# KiCad board SimulTypeUltra.kicad_pcb
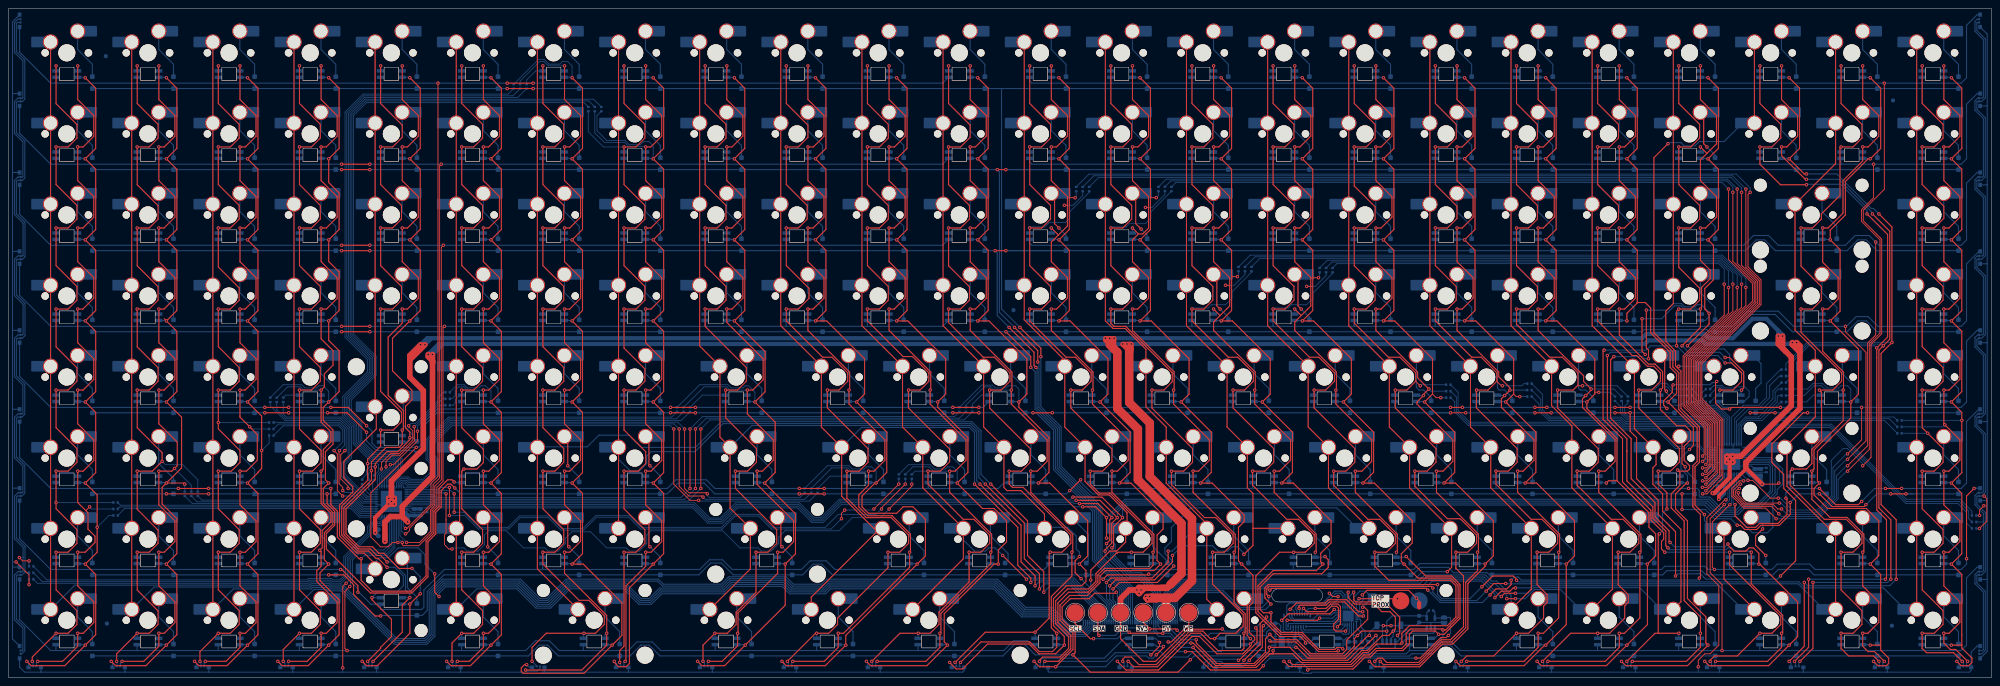
[diagram p0: board, top side]
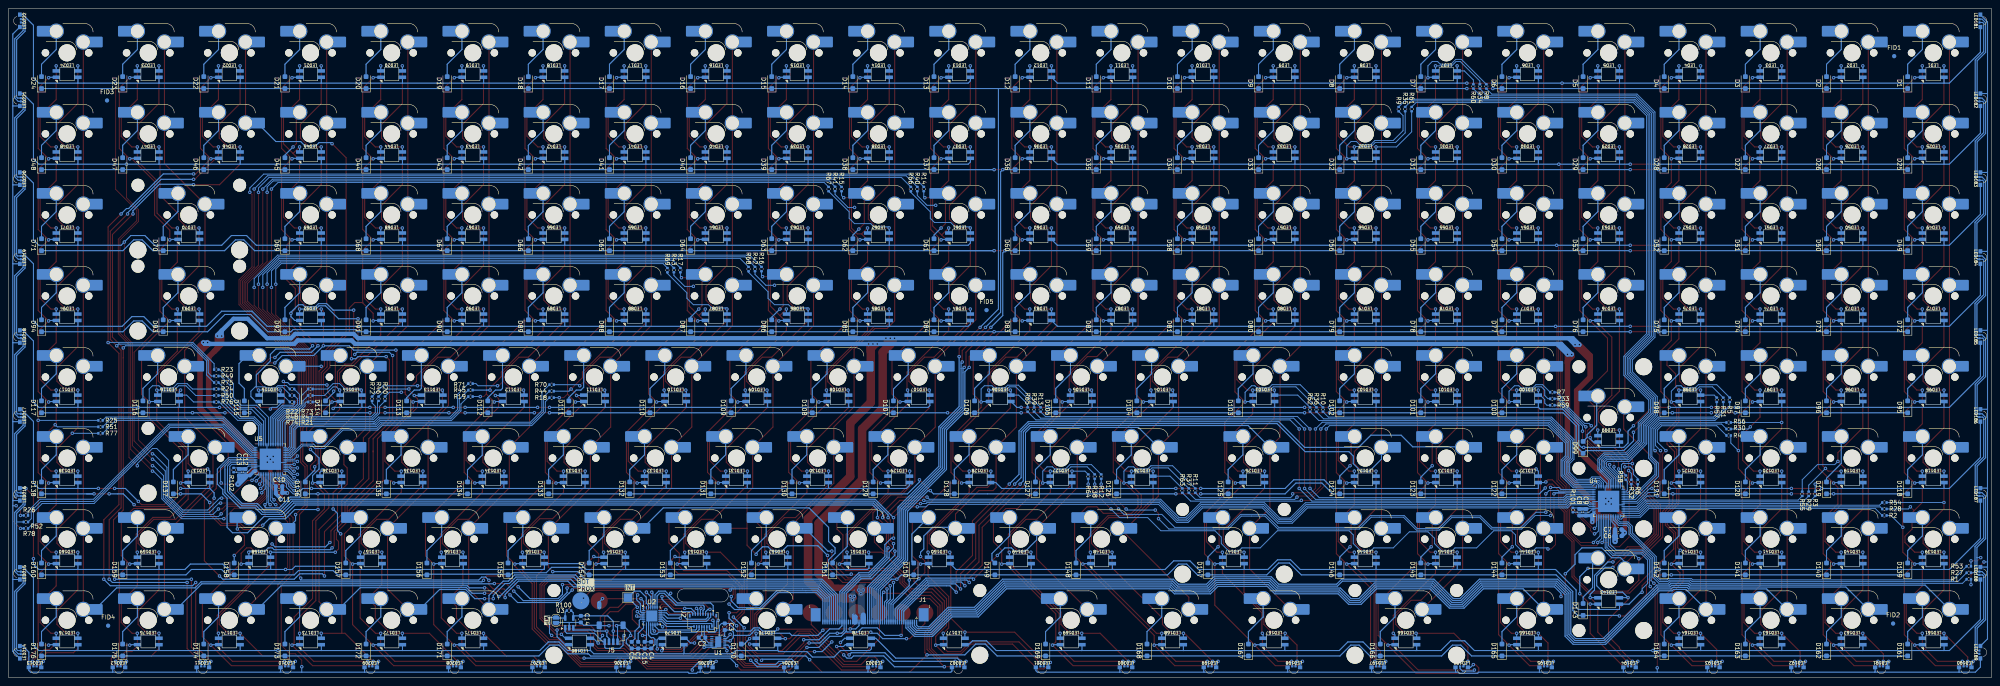
[diagram p1: board, bottom side, seen from below]

Outline 465.58 x 157.23 mm; copper layers: Top, Bottom. Coordinates in mm from the lower left corner of the outline.
Outline path: 307,17.76 308.53,19.28 307,20.81 298.11,20.81 296.59,19.28 298.11,17.76 closed ; rectangle 0,157.23 465.58,0

## Placement (name value [footprint] x y rotation side)
C1  2.2n  [C_0603_1608Metric]  319.27 7.6 270 bottom
C2  5p  [C_0603_1608Metric]  302.76 9.38 0 bottom
C3  1u  [C_0603_1608Metric]  297.42 11.92 90 bottom
C4  0.1u  [C_0603_1608Metric]  314.69 7.6 270 bottom
C5  0.1u  [C_0603_1608Metric]  317.74 7.6 90 bottom
C6  1u  [C_0603_1608Metric]  87.62 33.25 180 bottom
C7  0.1u  [C_0603_1608Metric]  87.62 34.78 180 bottom
C8  1u  [C_0603_1608Metric]  96.76 38.84 90 bottom
C9  0.1u  [C_0603_1608Metric]  95.24 38.84 90 bottom
C10  0.1u  [C_0603_1608Metric]  402.07 44.94 180 bottom
C11  1u  [C_0603_1608Metric]  402.07 43.41 180 bottom
C12  0.1u  [C_0603_1608Metric]  409.94 48.24 90 bottom
C13  1u  [C_0603_1608Metric]  411.47 48.24 90 bottom
C14  1u  [C_0603_1608Metric]  331.2 13.71 270 bottom
C15  1u  [C_0603_1608Metric]  316.22 7.6 270 bottom
D1  D  [D_SOD-123F]  19.68 139.81 90 bottom
D2  D  [D_SOD-123F]  38.73 139.81 90 bottom
D3  D  [D_SOD-123F]  57.78 139.81 90 bottom
D4  D  [D_SOD-123F]  76.83 139.81 90 bottom
D5  D  [D_SOD-123F]  95.88 139.81 90 bottom
D6  D  [D_SOD-123F]  114.93 139.81 90 bottom
D7  D  [D_SOD-123F]  133.98 139.81 90 bottom
D8  D  [D_SOD-123F]  153.03 139.81 90 bottom
D9  D  [D_SOD-123F]  172.08 139.81 90 bottom
D10  D  [D_SOD-123F]  191.13 139.81 90 bottom
D11  D  [D_SOD-123F]  210.18 139.81 90 bottom
D12  D  [D_SOD-123F]  229.23 139.81 90 bottom
D13  D  [D_SOD-123F]  248.28 139.81 90 bottom
D14  D  [D_SOD-123F]  267.33 139.81 90 bottom
D15  D  [D_SOD-123F]  286.38 139.81 90 bottom
D16  D  [D_SOD-123F]  305.43 139.81 90 bottom
D17  D  [D_SOD-123F]  324.48 139.81 90 bottom
D18  D  [D_SOD-123F]  343.53 139.81 90 bottom
D19  D  [D_SOD-123F]  362.58 139.81 90 bottom
D20  D  [D_SOD-123F]  381.63 139.81 90 bottom
D21  D  [D_SOD-123F]  400.68 139.81 90 bottom
D22  D  [D_SOD-123F]  419.73 139.81 90 bottom
D23  D  [D_SOD-123F]  438.78 139.81 90 bottom
D24  D  [D_SOD-123F]  457.83 139.81 90 bottom
D25  D  [D_SOD-123F]  19.68 120.76 90 bottom
D26  D  [D_SOD-123F]  38.73 120.76 90 bottom
D27  D  [D_SOD-123F]  57.78 120.76 90 bottom
D28  D  [D_SOD-123F]  76.83 120.76 90 bottom
D29  D  [D_SOD-123F]  95.88 120.76 90 bottom
D30  D  [D_SOD-123F]  114.93 120.76 90 bottom
D31  D  [D_SOD-123F]  133.98 120.76 90 bottom
D32  D  [D_SOD-123F]  153.03 120.76 90 bottom
D33  D  [D_SOD-123F]  172.08 120.76 90 bottom
D34  D  [D_SOD-123F]  191.13 120.76 90 bottom
D35  D  [D_SOD-123F]  210.18 120.76 90 bottom
D36  D  [D_SOD-123F]  229.23 120.76 90 bottom
D37  D  [D_SOD-123F]  248.28 120.76 90 bottom
D38  D  [D_SOD-123F]  267.33 120.76 90 bottom
D39  D  [D_SOD-123F]  286.38 120.76 90 bottom
D40  D  [D_SOD-123F]  305.43 120.76 90 bottom
D41  D  [D_SOD-123F]  324.48 120.76 90 bottom
D42  D  [D_SOD-123F]  343.53 120.76 90 bottom
D43  D  [D_SOD-123F]  362.58 120.76 90 bottom
D44  D  [D_SOD-123F]  381.63 120.76 90 bottom
D45  D  [D_SOD-123F]  400.68 120.76 90 bottom
D46  D  [D_SOD-123F]  419.73 120.76 90 bottom
D47  D  [D_SOD-123F]  438.78 120.76 90 bottom
D48  D  [D_SOD-123F]  457.83 120.76 90 bottom
D49  D  [D_SOD-123F]  19.68 101.71 90 bottom
D50  D  [D_SOD-123F]  38.73 101.71 90 bottom
D51  D  [D_SOD-123F]  57.78 101.71 90 bottom
D52  D  [D_SOD-123F]  76.83 101.71 90 bottom
D53  D  [D_SOD-123F]  95.88 101.71 90 bottom
D54  D  [D_SOD-123F]  114.93 101.71 90 bottom
D55  D  [D_SOD-123F]  133.98 101.71 90 bottom
D56  D  [D_SOD-123F]  153.03 101.71 90 bottom
D57  D  [D_SOD-123F]  172.08 101.71 90 bottom
D58  D  [D_SOD-123F]  191.13 101.71 90 bottom
D59  D  [D_SOD-123F]  210.18 101.71 90 bottom
D60  D  [D_SOD-123F]  229.23 101.71 90 bottom
D61  D  [D_SOD-123F]  248.28 101.71 90 bottom
D62  D  [D_SOD-123F]  267.33 101.71 90 bottom
D63  D  [D_SOD-123F]  286.38 101.71 90 bottom
D64  D  [D_SOD-123F]  305.43 101.71 90 bottom
D65  D  [D_SOD-123F]  324.48 101.71 90 bottom
D66  D  [D_SOD-123F]  343.53 101.71 90 bottom
D67  D  [D_SOD-123F]  362.58 101.71 90 bottom
D68  D  [D_SOD-123F]  381.63 101.71 90 bottom
D69  D  [D_SOD-123F]  400.68 101.71 90 bottom
D70  D  [D_SOD-123F]  429.26 101.71 90 bottom
D71  D  [D_SOD-123F]  457.83 101.71 90 bottom
D72  D  [D_SOD-123F]  19.68 82.66 90 bottom
D73  D  [D_SOD-123F]  38.73 82.66 90 bottom
D74  D  [D_SOD-123F]  57.78 82.66 90 bottom
D75  D  [D_SOD-123F]  76.83 82.66 90 bottom
D76  D  [D_SOD-123F]  95.88 82.66 90 bottom
D77  D  [D_SOD-123F]  114.93 82.66 90 bottom
D78  D  [D_SOD-123F]  133.98 82.66 90 bottom
D79  D  [D_SOD-123F]  153.03 82.66 90 bottom
D80  D  [D_SOD-123F]  172.08 82.66 90 bottom
D81  D  [D_SOD-123F]  191.13 82.66 90 bottom
D82  D  [D_SOD-123F]  210.18 82.66 90 bottom
D83  D  [D_SOD-123F]  229.23 82.66 90 bottom
D84  D  [D_SOD-123F]  248.28 82.66 90 bottom
D85  D  [D_SOD-123F]  267.33 82.66 90 bottom
D86  D  [D_SOD-123F]  286.38 82.66 90 bottom
D87  D  [D_SOD-123F]  305.43 82.66 90 bottom
D88  D  [D_SOD-123F]  324.48 82.66 90 bottom
D89  D  [D_SOD-123F]  343.53 82.66 90 bottom
D90  D  [D_SOD-123F]  362.58 82.66 90 bottom
D91  D  [D_SOD-123F]  381.63 82.66 90 bottom
D92  D  [D_SOD-123F]  400.68 82.66 90 bottom
D93  D  [D_SOD-123F]  429.26 82.66 90 bottom
D94  D  [D_SOD-123F]  457.83 82.66 90 bottom
D95  D  [D_SOD-123F]  19.68 63.61 90 bottom
D96  D  [D_SOD-123F]  38.73 63.61 90 bottom
D97  D  [D_SOD-123F]  57.78 63.61 90 bottom
D98  D  [D_SOD-123F]  76.83 63.61 90 bottom
D99  D  [D_SOD-123F]  95.88 54.09 90 bottom
D100  D  [D_SOD-123F]  114.93 63.61 90 bottom
D101  D  [D_SOD-123F]  133.98 63.61 90 bottom
D102  D  [D_SOD-123F]  153.03 63.61 90 bottom
D103  D  [D_SOD-123F]  176.85 63.61 90 bottom
D104  D  [D_SOD-123F]  200.66 63.61 90 bottom
D105  D  [D_SOD-123F]  219.71 63.61 90 bottom
D106  D  [D_SOD-123F]  238.76 63.61 90 bottom
D107  D  [D_SOD-123F]  257.81 63.61 90 bottom
D108  D  [D_SOD-123F]  276.86 63.61 90 bottom
D109  D  [D_SOD-123F]  295.91 63.61 90 bottom
D110  D  [D_SOD-123F]  314.96 63.61 90 bottom
D111  D  [D_SOD-123F]  334.01 63.61 90 bottom
D112  D  [D_SOD-123F]  353.06 63.61 90 bottom
D113  D  [D_SOD-123F]  372.11 63.61 90 bottom
D114  D  [D_SOD-123F]  391.16 63.61 90 bottom
D115  D  [D_SOD-123F]  410.21 63.61 90 bottom
D116  D  [D_SOD-123F]  434.02 63.61 90 bottom
D117  D  [D_SOD-123F]  457.83 63.61 90 bottom
D118  D  [D_SOD-123F]  19.68 44.56 90 bottom
D119  D  [D_SOD-123F]  38.73 44.56 90 bottom
D120  D  [D_SOD-123F]  57.78 44.56 90 bottom
D121  D  [D_SOD-123F]  76.83 44.56 90 bottom
D122  D  [D_SOD-123F]  114.93 44.56 90 bottom
D123  D  [D_SOD-123F]  133.98 44.56 90 bottom
D124  D  [D_SOD-123F]  153.03 44.56 90 bottom
D125  D  [D_SOD-123F]  179.23 44.56 90 bottom
D126  D  [D_SOD-123F]  205.42 44.56 90 bottom
D127  D  [D_SOD-123F]  224.47 44.56 90 bottom
D128  D  [D_SOD-123F]  243.52 44.56 90 bottom
D129  D  [D_SOD-123F]  262.57 44.56 90 bottom
D130  D  [D_SOD-123F]  281.62 44.56 90 bottom
D131  D  [D_SOD-123F]  300.67 44.56 90 bottom
D132  D  [D_SOD-123F]  319.72 44.56 90 bottom
D133  D  [D_SOD-123F]  338.77 44.56 90 bottom
D134  D  [D_SOD-123F]  357.82 44.56 90 bottom
D135  D  [D_SOD-123F]  376.87 44.56 90 bottom
D136  D  [D_SOD-123F]  395.92 44.56 90 bottom
D137  D  [D_SOD-123F]  426.88 44.56 90 bottom
D138  D  [D_SOD-123F]  457.83 44.56 90 bottom
D139  D  [D_SOD-123F]  19.68 25.51 90 bottom
D140  D  [D_SOD-123F]  38.73 25.51 90 bottom
D141  D  [D_SOD-123F]  57.78 25.51 90 bottom
D142  D  [D_SOD-123F]  76.83 25.51 90 bottom
D143  D  [D_SOD-123F]  95.88 15.99 90 bottom
D144  D  [D_SOD-123F]  114.93 25.51 90 bottom
D145  D  [D_SOD-123F]  133.98 25.51 90 bottom
D146  D  [D_SOD-123F]  153.03 25.51 90 bottom
D147  D  [D_SOD-123F]  183.99 25.51 90 bottom
D148  D  [D_SOD-123F]  214.95 25.51 90 bottom
D149  D  [D_SOD-123F]  234 25.51 90 bottom
D150  D  [D_SOD-123F]  253.05 25.51 90 bottom
D151  D  [D_SOD-123F]  272.1 25.51 90 bottom
D152  D  [D_SOD-123F]  291.15 25.51 90 bottom
D153  D  [D_SOD-123F]  310.2 25.51 90 bottom
D154  D  [D_SOD-123F]  329.25 25.51 90 bottom
D155  D  [D_SOD-123F]  348.3 25.51 90 bottom
D156  D  [D_SOD-123F]  367.35 25.51 90 bottom
D157  D  [D_SOD-123F]  386.4 25.51 90 bottom
D158  D  [D_SOD-123F]  412.59 25.51 90 bottom
D159  D  [D_SOD-123F]  438.78 25.51 90 bottom
D160  D  [D_SOD-123F]  457.83 25.51 90 bottom
D161  D  [D_SOD-123F]  19.68 6.46 90 bottom
D162  D  [D_SOD-123F]  38.73 6.46 90 bottom
D163  D  [D_SOD-123F]  57.78 6.46 90 bottom
D164  D  [D_SOD-123F]  76.83 6.46 90 bottom
D165  D  [D_SOD-123F]  114.93 6.46 90 bottom
D166  D  [D_SOD-123F]  143.51 6.46 90 bottom
D167  D  [D_SOD-123F]  174.47 6.46 90 bottom
D168  D  [D_SOD-123F]  198.28 6.46 90 bottom
D169  D  [D_SOD-123F]  222.09 6.46 90 bottom
D170  D  [D_SOD-123F]  293.53 6.46 90 bottom
D171  D  [D_SOD-123F]  362.58 6.46 90 bottom
D172  D  [D_SOD-123F]  381.63 6.46 90 bottom
D173  D  [D_SOD-123F]  400.68 6.46 90 bottom
D174  D  [D_SOD-123F]  419.73 6.46 90 bottom
D175  D  [D_SOD-123F]  438.78 6.46 90 bottom
D176  D  [D_SOD-123F]  457.83 6.46 90 bottom
DRA1  DIN_Rail_Adapter  [Stabilizer_Cherry_MX_6.25u]  287.53 13.46 0 top  (not fitted)
DRA2  DIN_Rail_Adapter  [Stabilizer_Cherry_MX_2.00u]  177.99 32.51 0 top  (not fitted)
DRA3  DIN_Rail_Adapter  [Stabilizer_Cherry_MX_2.00u]  420.88 51.56 0 top  (not fitted)
DRA4  DIN_Rail_Adapter  [Stabilizer_Cherry_MX_2.00u]  89.88 61.09 270 top  (not fitted)
DRA5  DIN_Rail_Adapter  [Stabilizer_Cherry_MX_2.00u]  89.88 22.99 270 top  (not fitted)
DRA6  DIN_Rail_Adapter  [Stabilizer_Cherry_MX_2.00u]  137.51 13.46 0 top  (not fitted)
DRA7  DIN_Rail_Adapter  [Stabilizer_Cherry_MX_2.00u]  423.26 89.66 0 top  (not fitted)
DRA8  DIN_Rail_Adapter  [Stabilizer_Cherry_MX_2.00u]  423.26 108.71 0 top  (not fitted)
FID1  Fiducial  [Fiducial_1mm_Mask2mm]  22.85 146.03 180 bottom  (not fitted)
FID2  Fiducial  [Fiducial_1mm_Mask2mm]  23.1 12.68 180 bottom  (not fitted)
FID3  Fiducial  [Fiducial_1mm_Mask2mm]  442.46 135.62 180 bottom  (not fitted)
FID4  Fiducial  [Fiducial_1mm_Mask2mm]  442.2 12.17 180 bottom  (not fitted)
FID5  Fiducial  [Fiducial_1mm_Mask2mm]  235.95 86.34 180 bottom  (not fitted)
J1  Conn_01x45  [TE_4-1734839-5_1x45-1MP_P0.5mm_Horizontal]  263.39 14.38 0 bottom
J2  Conn_01x17  [Molex_502250-1791_2Rows-17Pins-1MP_P0.60mm_Horizontal]  302.53 13.46 270 bottom
J3  Conn_01x01  [SURFACESPRING_1]  326.89 18.01 0 top  (not fitted)
J4  Conn_01x01  [SURFACESPRING_1]  331.2 18.01 180 bottom  (not fitted)
J5  Qwiic_I2C_connector  [JST_SH_SM04B-SRSS-TB_1x04-1MP_P1.00mm_Horizontal]  324.09 10.39 0 bottom
JP1  SolderJumper_2_Open  [SolderJumper-2_P1.3mm_Open_RoundedPad1.0x1.5mm]  337.05 13.46 270 bottom  (not fitted)
LED1  ASMB-MTB1-0A3A2  [6028RGB]  13.68 141.81 0 bottom
LED2  ASMB-MTB1-0A3A2  [6028RGB]  32.73 141.81 0 bottom
LED3  ASMB-MTB1-0A3A2  [6028RGB]  51.78 141.81 0 bottom
LED4  ASMB-MTB1-0A3A2  [6028RGB]  70.83 141.81 0 bottom
LED5  ASMB-MTB1-0A3A2  [6028RGB]  89.88 141.81 0 bottom
LED6  ASMB-MTB1-0A3A2  [6028RGB]  108.93 141.81 0 bottom
LED7  ASMB-MTB1-0A3A2  [6028RGB]  127.98 141.81 0 bottom
LED8  ASMB-MTB1-0A3A2  [6028RGB]  147.03 141.81 0 bottom
LED9  ASMB-MTB1-0A3A2  [6028RGB]  166.08 141.81 0 bottom
LED10  ASMB-MTB1-0A3A2  [6028RGB]  185.13 141.81 0 bottom
LED11  ASMB-MTB1-0A3A2  [6028RGB]  204.18 141.81 0 bottom
LED12  ASMB-MTB1-0A3A2  [6028RGB]  223.23 141.81 0 bottom
LED13  ASMB-MTB1-0A3A2  [6028RGB]  242.28 141.81 0 bottom
LED14  ASMB-MTB1-0A3A2  [6028RGB]  261.33 141.81 0 bottom
LED15  ASMB-MTB1-0A3A2  [6028RGB]  280.38 141.81 0 bottom
LED16  ASMB-MTB1-0A3A2  [6028RGB]  299.43 141.81 0 bottom
LED17  ASMB-MTB1-0A3A2  [6028RGB]  318.48 141.81 0 bottom
LED18  ASMB-MTB1-0A3A2  [6028RGB]  337.53 141.81 0 bottom
LED19  ASMB-MTB1-0A3A2  [6028RGB]  356.58 141.81 0 bottom
LED20  ASMB-MTB1-0A3A2  [6028RGB]  375.63 141.81 0 bottom
LED21  ASMB-MTB1-0A3A2  [6028RGB]  394.68 141.81 0 bottom
LED22  ASMB-MTB1-0A3A2  [6028RGB]  413.73 141.81 0 bottom
LED23  ASMB-MTB1-0A3A2  [6028RGB]  432.78 141.81 0 bottom
LED24  ASMB-MTB1-0A3A2  [6028RGB]  451.83 141.81 0 bottom
LED25  ASMB-MTB1-0A3A2  [6028RGB]  13.68 122.76 0 bottom
LED26  ASMB-MTB1-0A3A2  [6028RGB]  32.73 122.76 0 bottom
LED27  ASMB-MTB1-0A3A2  [6028RGB]  51.78 122.76 0 bottom
LED28  ASMB-MTB1-0A3A2  [6028RGB]  70.83 122.76 0 bottom
LED29  ASMB-MTB1-0A3A2  [6028RGB]  89.88 122.76 0 bottom
LED30  ASMB-MTB1-0A3A2  [6028RGB]  108.93 122.76 0 bottom
LED31  ASMB-MTB1-0A3A2  [6028RGB]  127.98 122.76 0 bottom
LED32  ASMB-MTB1-0A3A2  [6028RGB]  147.03 122.76 0 bottom
LED33  ASMB-MTB1-0A3A2  [6028RGB]  166.08 122.76 0 bottom
LED34  ASMB-MTB1-0A3A2  [6028RGB]  185.13 122.76 0 bottom
LED35  ASMB-MTB1-0A3A2  [6028RGB]  204.18 122.76 0 bottom
LED36  ASMB-MTB1-0A3A2  [6028RGB]  223.23 122.76 0 bottom
LED37  ASMB-MTB1-0A3A2  [6028RGB]  242.28 122.76 0 bottom
LED38  ASMB-MTB1-0A3A2  [6028RGB]  261.33 122.76 0 bottom
LED39  ASMB-MTB1-0A3A2  [6028RGB]  280.38 122.76 0 bottom
LED40  ASMB-MTB1-0A3A2  [6028RGB]  299.43 122.76 0 bottom
LED41  ASMB-MTB1-0A3A2  [6028RGB]  318.48 122.76 0 bottom
LED42  ASMB-MTB1-0A3A2  [6028RGB]  337.53 122.76 0 bottom
LED43  ASMB-MTB1-0A3A2  [6028RGB]  356.58 122.76 0 bottom
LED44  ASMB-MTB1-0A3A2  [6028RGB]  375.63 122.76 0 bottom
LED45  ASMB-MTB1-0A3A2  [6028RGB]  394.68 122.76 0 bottom
LED46  ASMB-MTB1-0A3A2  [6028RGB]  413.73 122.76 0 bottom
LED47  ASMB-MTB1-0A3A2  [6028RGB]  432.78 122.76 0 bottom
LED48  ASMB-MTB1-0A3A2  [6028RGB]  451.83 122.76 0 bottom
LED49  ASMB-MTB1-0A3A2  [6028RGB]  13.68 103.71 0 bottom
LED50  ASMB-MTB1-0A3A2  [6028RGB]  32.73 103.71 0 bottom
LED51  ASMB-MTB1-0A3A2  [6028RGB]  51.78 103.71 0 bottom
LED52  ASMB-MTB1-0A3A2  [6028RGB]  70.83 103.71 0 bottom
LED53  ASMB-MTB1-0A3A2  [6028RGB]  89.88 103.71 0 bottom
LED54  ASMB-MTB1-0A3A2  [6028RGB]  108.93 103.71 0 bottom
LED55  ASMB-MTB1-0A3A2  [6028RGB]  127.98 103.71 0 bottom
LED56  ASMB-MTB1-0A3A2  [6028RGB]  147.03 103.71 0 bottom
LED57  ASMB-MTB1-0A3A2  [6028RGB]  166.08 103.71 0 bottom
LED58  ASMB-MTB1-0A3A2  [6028RGB]  185.13 103.71 0 bottom
LED59  ASMB-MTB1-0A3A2  [6028RGB]  204.18 103.71 0 bottom
LED60  ASMB-MTB1-0A3A2  [6028RGB]  223.23 103.71 0 bottom
LED61  ASMB-MTB1-0A3A2  [6028RGB]  242.28 103.71 0 bottom
LED62  ASMB-MTB1-0A3A2  [6028RGB]  261.33 103.71 0 bottom
LED63  ASMB-MTB1-0A3A2  [6028RGB]  280.38 103.71 0 bottom
LED64  ASMB-MTB1-0A3A2  [6028RGB]  299.43 103.71 0 bottom
LED65  ASMB-MTB1-0A3A2  [6028RGB]  318.48 103.71 0 bottom
LED66  ASMB-MTB1-0A3A2  [6028RGB]  337.53 103.71 0 bottom
LED67  ASMB-MTB1-0A3A2  [6028RGB]  356.58 103.71 0 bottom
LED68  ASMB-MTB1-0A3A2  [6028RGB]  375.63 103.71 0 bottom
LED69  ASMB-MTB1-0A3A2  [6028RGB]  394.68 103.71 0 bottom
LED70  ASMB-MTB1-0A3A2  [6028RGB]  423.26 103.71 0 bottom
LED71  ASMB-MTB1-0A3A2  [6028RGB]  451.83 103.71 0 bottom
LED72  ASMB-MTB1-0A3A2  [6028RGB]  13.68 84.66 0 bottom
LED73  ASMB-MTB1-0A3A2  [6028RGB]  32.73 84.66 0 bottom
LED74  ASMB-MTB1-0A3A2  [6028RGB]  51.78 84.66 0 bottom
LED75  ASMB-MTB1-0A3A2  [6028RGB]  70.83 84.66 0 bottom
LED76  ASMB-MTB1-0A3A2  [6028RGB]  89.88 84.66 0 bottom
LED77  ASMB-MTB1-0A3A2  [6028RGB]  108.93 84.66 0 bottom
LED78  ASMB-MTB1-0A3A2  [6028RGB]  127.98 84.66 0 bottom
LED79  ASMB-MTB1-0A3A2  [6028RGB]  147.03 84.66 0 bottom
LED80  ASMB-MTB1-0A3A2  [6028RGB]  166.08 84.66 0 bottom
LED81  ASMB-MTB1-0A3A2  [6028RGB]  185.13 84.66 0 bottom
LED82  ASMB-MTB1-0A3A2  [6028RGB]  204.18 84.66 0 bottom
LED83  ASMB-MTB1-0A3A2  [6028RGB]  223.23 84.66 0 bottom
LED84  ASMB-MTB1-0A3A2  [6028RGB]  242.28 84.66 0 bottom
LED85  ASMB-MTB1-0A3A2  [6028RGB]  261.33 84.66 0 bottom
LED86  ASMB-MTB1-0A3A2  [6028RGB]  280.38 84.66 0 bottom
LED87  ASMB-MTB1-0A3A2  [6028RGB]  299.43 84.66 0 bottom
LED88  ASMB-MTB1-0A3A2  [6028RGB]  318.48 84.66 0 bottom
LED89  ASMB-MTB1-0A3A2  [6028RGB]  337.53 84.66 0 bottom
LED90  ASMB-MTB1-0A3A2  [6028RGB]  356.58 84.66 0 bottom
LED91  ASMB-MTB1-0A3A2  [6028RGB]  375.63 84.66 0 bottom
LED92  ASMB-MTB1-0A3A2  [6028RGB]  394.68 84.66 0 bottom
LED93  ASMB-MTB1-0A3A2  [6028RGB]  423.26 84.66 0 bottom
LED94  ASMB-MTB1-0A3A2  [6028RGB]  451.83 84.66 0 bottom
LED95  ASMB-MTB1-0A3A2  [6028RGB]  13.68 65.61 0 bottom
LED96  ASMB-MTB1-0A3A2  [6028RGB]  32.73 65.61 0 bottom
LED97  ASMB-MTB1-0A3A2  [6028RGB]  51.78 65.61 0 bottom
LED98  ASMB-MTB1-0A3A2  [6028RGB]  70.83 65.61 0 bottom
LED99  ASMB-MTB1-0A3A2  [6028RGB]  89.88 56.09 0 bottom
LED100  ASMB-MTB1-0A3A2  [6028RGB]  108.93 65.61 0 bottom
LED101  ASMB-MTB1-0A3A2  [6028RGB]  127.98 65.61 0 bottom
LED102  ASMB-MTB1-0A3A2  [6028RGB]  147.03 65.61 0 bottom
LED103  ASMB-MTB1-0A3A2  [6028RGB]  170.85 65.61 0 bottom
LED104  ASMB-MTB1-0A3A2  [6028RGB]  194.66 65.61 0 bottom
LED105  ASMB-MTB1-0A3A2  [6028RGB]  213.71 65.61 0 bottom
LED106  ASMB-MTB1-0A3A2  [6028RGB]  232.76 65.61 0 bottom
LED107  ASMB-MTB1-0A3A2  [6028RGB]  251.81 65.61 0 bottom
LED108  ASMB-MTB1-0A3A2  [6028RGB]  270.86 65.61 0 bottom
LED109  ASMB-MTB1-0A3A2  [6028RGB]  289.91 65.61 0 bottom
LED110  ASMB-MTB1-0A3A2  [6028RGB]  308.96 65.61 0 bottom
LED111  ASMB-MTB1-0A3A2  [6028RGB]  328.01 65.61 0 bottom
LED112  ASMB-MTB1-0A3A2  [6028RGB]  347.06 65.61 0 bottom
LED113  ASMB-MTB1-0A3A2  [6028RGB]  366.11 65.61 0 bottom
LED114  ASMB-MTB1-0A3A2  [6028RGB]  385.16 65.61 0 bottom
LED115  ASMB-MTB1-0A3A2  [6028RGB]  404.21 65.61 0 bottom
LED116  ASMB-MTB1-0A3A2  [6028RGB]  428.02 65.61 0 bottom
LED117  ASMB-MTB1-0A3A2  [6028RGB]  451.83 65.61 0 bottom
LED118  ASMB-MTB1-0A3A2  [6028RGB]  13.68 46.56 0 bottom
LED119  ASMB-MTB1-0A3A2  [6028RGB]  32.73 46.56 0 bottom
LED120  ASMB-MTB1-0A3A2  [6028RGB]  51.78 46.56 0 bottom
LED121  ASMB-MTB1-0A3A2  [6028RGB]  70.83 46.56 0 bottom
LED122  ASMB-MTB1-0A3A2  [6028RGB]  108.93 46.56 0 bottom
LED123  ASMB-MTB1-0A3A2  [6028RGB]  127.98 46.56 0 bottom
LED124  ASMB-MTB1-0A3A2  [6028RGB]  147.03 46.56 0 bottom
LED125  ASMB-MTB1-0A3A2  [6028RGB]  173.23 46.56 0 bottom
LED126  ASMB-MTB1-0A3A2  [6028RGB]  199.42 46.56 0 bottom
LED127  ASMB-MTB1-0A3A2  [6028RGB]  218.47 46.56 0 bottom
LED128  ASMB-MTB1-0A3A2  [6028RGB]  237.52 46.56 0 bottom
LED129  ASMB-MTB1-0A3A2  [6028RGB]  256.57 46.56 0 bottom
LED130  ASMB-MTB1-0A3A2  [6028RGB]  275.62 46.56 0 bottom
LED131  ASMB-MTB1-0A3A2  [6028RGB]  294.67 46.56 0 bottom
LED132  ASMB-MTB1-0A3A2  [6028RGB]  313.72 46.56 0 bottom
LED133  ASMB-MTB1-0A3A2  [6028RGB]  332.77 46.56 0 bottom
LED134  ASMB-MTB1-0A3A2  [6028RGB]  351.82 46.56 0 bottom
LED135  ASMB-MTB1-0A3A2  [6028RGB]  370.87 46.56 0 bottom
LED136  ASMB-MTB1-0A3A2  [6028RGB]  389.92 46.56 0 bottom
LED137  ASMB-MTB1-0A3A2  [6028RGB]  420.88 46.56 0 bottom
LED138  ASMB-MTB1-0A3A2  [6028RGB]  451.83 46.56 0 bottom
LED139  ASMB-MTB1-0A3A2  [6028RGB]  13.68 27.51 0 bottom
LED140  ASMB-MTB1-0A3A2  [6028RGB]  32.73 27.51 0 bottom
LED141  ASMB-MTB1-0A3A2  [6028RGB]  51.78 27.51 0 bottom
LED142  ASMB-MTB1-0A3A2  [6028RGB]  70.83 27.51 0 bottom
LED143  ASMB-MTB1-0A3A2  [6028RGB]  89.88 17.99 0 bottom
LED144  ASMB-MTB1-0A3A2  [6028RGB]  108.93 27.51 0 bottom
LED145  ASMB-MTB1-0A3A2  [6028RGB]  127.98 27.51 0 bottom
LED146  ASMB-MTB1-0A3A2  [6028RGB]  147.03 27.51 0 bottom
LED147  ASMB-MTB1-0A3A2  [6028RGB]  177.99 27.51 0 bottom
LED148  ASMB-MTB1-0A3A2  [6028RGB]  208.95 27.51 0 bottom
LED149  ASMB-MTB1-0A3A2  [6028RGB]  228 27.51 0 bottom
LED150  ASMB-MTB1-0A3A2  [6028RGB]  247.05 27.51 0 bottom
LED151  ASMB-MTB1-0A3A2  [6028RGB]  266.1 27.51 0 bottom
LED152  ASMB-MTB1-0A3A2  [6028RGB]  285.15 27.51 0 bottom
LED153  ASMB-MTB1-0A3A2  [6028RGB]  304.2 27.51 0 bottom
LED154  ASMB-MTB1-0A3A2  [6028RGB]  323.25 27.51 0 bottom
LED155  ASMB-MTB1-0A3A2  [6028RGB]  342.3 27.51 0 bottom
LED156  ASMB-MTB1-0A3A2  [6028RGB]  361.35 27.51 0 bottom
LED157  ASMB-MTB1-0A3A2  [6028RGB]  380.4 27.51 0 bottom
LED158  ASMB-MTB1-0A3A2  [6028RGB]  406.59 27.51 0 bottom
LED159  ASMB-MTB1-0A3A2  [6028RGB]  432.78 27.51 0 bottom
LED160  ASMB-MTB1-0A3A2  [6028RGB]  451.83 27.51 0 bottom
LED161  ASMB-MTB1-0A3A2  [6028RGB]  13.68 8.46 0 bottom
LED162  ASMB-MTB1-0A3A2  [6028RGB]  32.73 8.46 0 bottom
LED163  ASMB-MTB1-0A3A2  [6028RGB]  51.78 8.46 0 bottom
LED164  ASMB-MTB1-0A3A2  [6028RGB]  70.83 8.46 0 bottom
LED165  ASMB-MTB1-0A3A2  [6028RGB]  108.93 8.46 0 bottom
LED166  ASMB-MTB1-0A3A2  [6028RGB]  137.51 8.46 0 bottom
LED167  ASMB-MTB1-0A3A2  [6028RGB]  168.47 8.46 0 bottom
LED168  ASMB-MTB1-0A3A2  [6028RGB]  192.28 8.46 0 bottom
LED169  ASMB-MTB1-0A3A2  [6028RGB]  216.09 8.46 0 bottom
LED170  ASMB-MTB1-0A3A2  [6028RGB]  287.53 8.46 0 bottom
LED171  ASMB-MTB1-0A3A2  [6028RGB]  356.58 8.46 0 bottom
LED172  ASMB-MTB1-0A3A2  [6028RGB]  375.63 8.46 0 bottom
LED173  ASMB-MTB1-0A3A2  [6028RGB]  394.68 8.46 0 bottom
LED174  ASMB-MTB1-0A3A2  [6028RGB]  413.73 8.46 0 bottom
LED175  ASMB-MTB1-0A3A2  [6028RGB]  432.78 8.46 0 bottom
LED176  ASMB-MTB1-0A3A2  [6028RGB]  451.83 8.46 0 bottom
LED177  ASMB-MTB1-0A3A2  [6028RGB]  243.53 8.46 0 bottom
LED178  ASMB-MTB1-0A3A2  [6028RGB]  265.53 8.46 0 bottom
LED179  ASMB-MTB1-0A3A2  [6028RGB]  309.53 8.46 0 bottom
LED180  ASMB-MTB1-0A3A2  [6028RGB]  331.53 8.46 0 bottom
LED181  ASMB-MTB1-0A3A2  [RGBSIDELENS]  2.16 154.33 270 bottom
LED182  ASMB-MTB1-0A3A2  [RGBSIDELENS]  2.16 135.78 270 bottom
LED183  ASMB-MTB1-0A3A2  [RGBSIDELENS]  2.16 117.23 270 bottom
LED184  ASMB-MTB1-0A3A2  [RGBSIDELENS]  2.16 98.69 270 bottom
LED185  ASMB-MTB1-0A3A2  [RGBSIDELENS]  2.16 80.14 270 bottom
LED186  ASMB-MTB1-0A3A2  [RGBSIDELENS]  2.16 61.59 270 bottom
LED187  ASMB-MTB1-0A3A2  [RGBSIDELENS]  2.16 43.04 270 bottom
LED188  ASMB-MTB1-0A3A2  [RGBSIDELENS]  2.16 24.49 270 bottom
LED189  ASMB-MTB1-0A3A2  [RGBSIDELENS]  2.16 5.94 270 bottom
LED190  ASMB-MTB1-0A3A2  [RGBSIDELENS]  6.16 1.94 0 bottom
LED191  ASMB-MTB1-0A3A2  [RGBSIDELENS]  25.86 1.94 0 bottom
LED192  ASMB-MTB1-0A3A2  [RGBSIDELENS]  45.57 1.94 0 bottom
LED193  ASMB-MTB1-0A3A2  [RGBSIDELENS]  65.27 1.94 0 bottom
LED194  ASMB-MTB1-0A3A2  [RGBSIDELENS]  84.98 1.94 0 bottom
LED195  ASMB-MTB1-0A3A2  [RGBSIDELENS]  104.68 1.94 0 bottom
LED196  ASMB-MTB1-0A3A2  [RGBSIDELENS]  124.38 1.94 0 bottom
LED197  ASMB-MTB1-0A3A2  [RGBSIDELENS]  144.09 1.94 0 bottom
LED198  ASMB-MTB1-0A3A2  [RGBSIDELENS]  163.79 1.94 0 bottom
LED199  ASMB-MTB1-0A3A2  [RGBSIDELENS]  183.5 1.94 0 bottom
LED200  ASMB-MTB1-0A3A2  [RGBSIDELENS]  203.2 1.94 0 bottom
LED201  ASMB-MTB1-0A3A2  [RGBSIDELENS]  222.91 1.94 0 bottom
LED202  ASMB-MTB1-0A3A2  [RGBSIDELENS]  242.61 1.94 0 bottom
LED203  ASMB-MTB1-0A3A2  [RGBSIDELENS]  262.31 1.94 0 bottom
LED204  ASMB-MTB1-0A3A2  [RGBSIDELENS]  282.02 1.94 0 bottom
LED205  ASMB-MTB1-0A3A2  [RGBSIDELENS]  301.72 1.94 0 bottom